# Altium PCB STM32F103C8T6_Coreboard.PcbDoc
Units mil, origin at the board's own origin, x right, y up, seen from the top; angles counter-clockwise.
Board outline 900 x 2100 mil, 2 copper layers (Top Layer, Bottom Layer); 35 components, 52 nets, 170 pads, 34 vias.
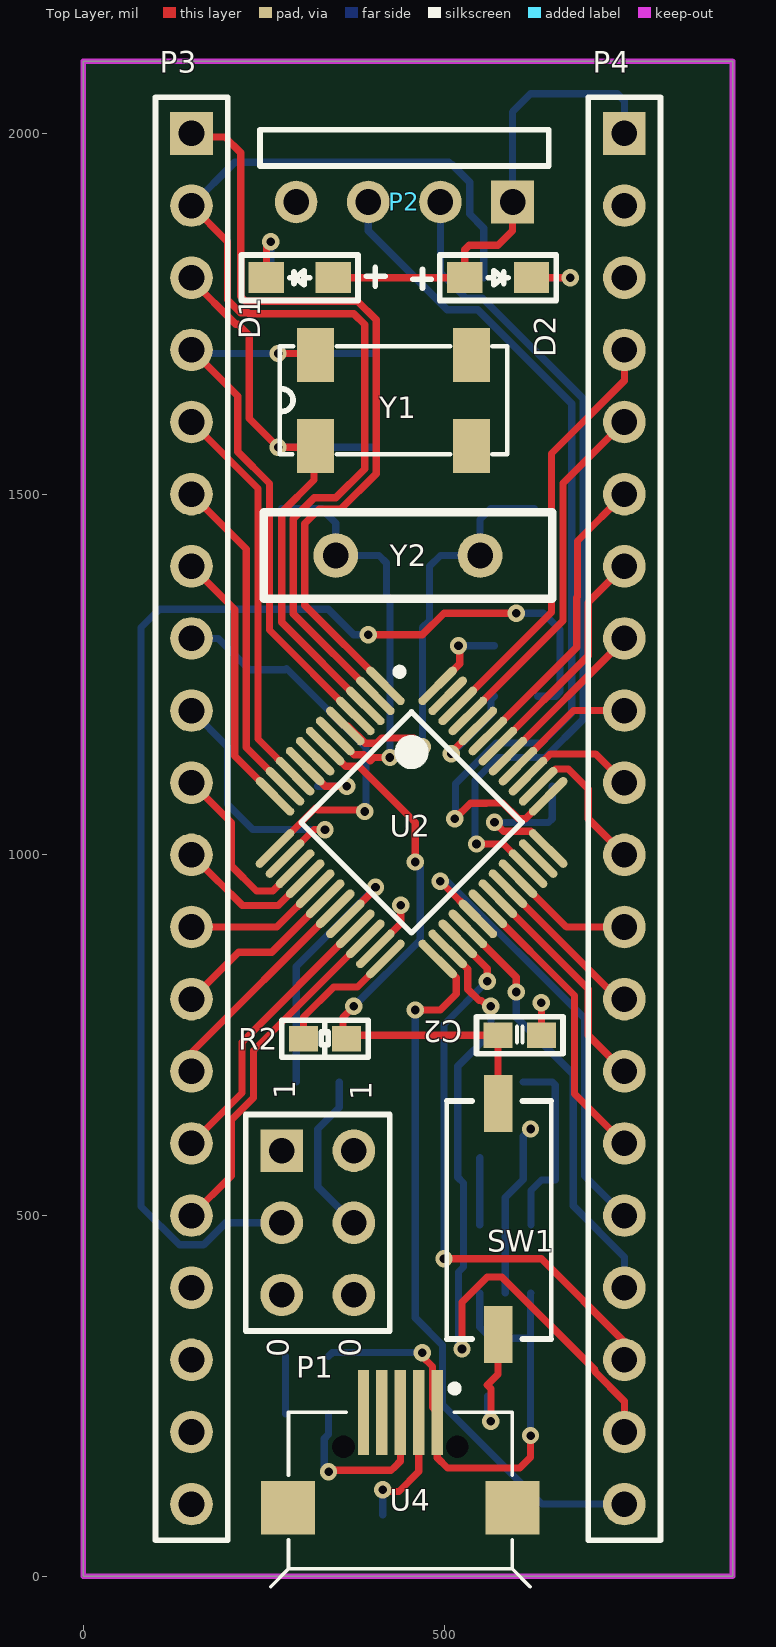
[diagram p0: Top Layer view]
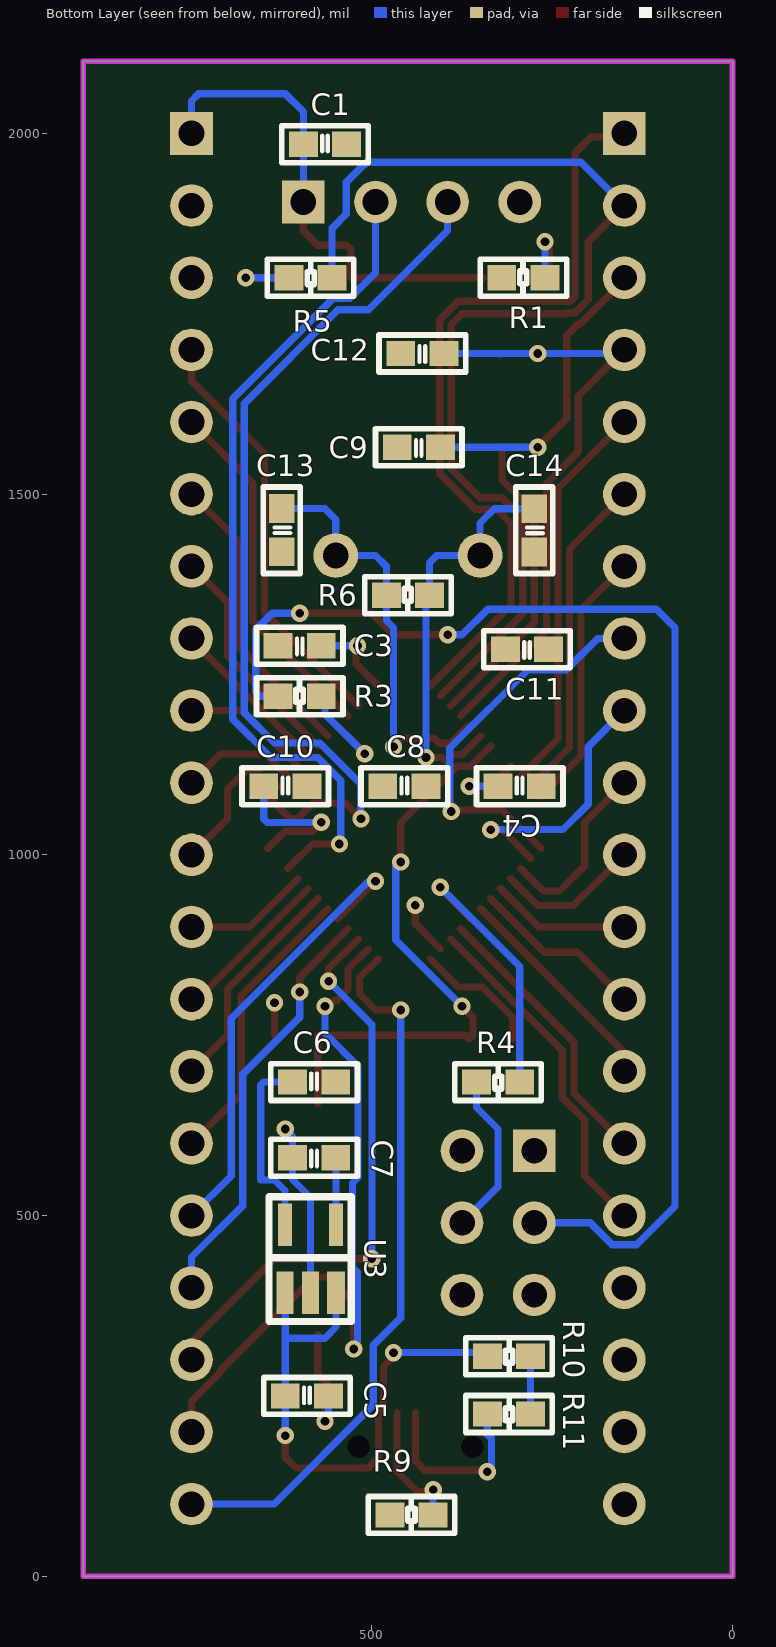
[diagram p1: Bottom Layer view, seen from below]

## Layer stack, top to bottom
Top Solder: solder mask 0.4, Solder Resist, Dk 3.5
Top Layer: signal copper 1.4
Dielectric 1: dielectric 12.6, FR-4, Dk 4.8
Bottom Layer: signal copper 1.4
Bottom Solder: solder mask 0.4, Solder Resist, Dk 3.5

## Board outline
0,0 900,0 900,2100 0,2100

## Design rules (kind name [scope] priority, off if disabled: settings)
Clearance [All] p1: gap=6 ignorepadtopadclearanceinfootprint=FALSE except(0: Arc-Hole Track-Hole SMDPad-Hole THPad-Hole Via-Hole Fill-Hole Poly-Hole Region-Hole Text-Hole; 10: Arc-Via Track-Via SMDPad-Via)
PlaneConnect [All] p1: planeconnectstyle=Direct reliefexpansion=20 reliefentries=4 reliefconductorwidth=10 reliefairgap=10
PolygonConnect [All] p1: connectstyle=Direct reliefconductorwidth=10 reliefentries=4 polygonreliefangle="90 Angle" airgapwidth=10
RoutingVias [All] p1: holewidth=12 width=24 viastyle="Through Hole" minholewidth=12 minwidth=24 maxholewidth=12 maxwidth=24
SolderMaskExpansion [All] p1: expansion=4
Width [All] p1: maxlimit=30 minlimit=10 preferedwidth=10
29 further rules are at their usual default settings.

## Components (designator, comment, footprint, x,y, rotation, side; value= is the part's Value field where it differs from the comment)
C1 "104" C0603 565,1985 r0 bottom
C2 "105,0603" C0603 605,750 r180 top value=104
C3 "104" C0603 600,1290 r180 bottom
C4 "104" C0603 295.08,1095 r0 bottom
C5 "105,0603" C0603 590.08,250 r0 bottom value=104
C6 "106,0603" C0603 580,685 r0 bottom value=104
C7 "223,0603" C0603 580,580 r180 bottom value=104
C8 "104,0603" C0603 455,1095 r0 bottom value=104
C9 "20p" C0603 435,1565 r180 bottom value=104
C10 "104" C0603 620,1095 r0 bottom
C11 "104" C0603 285,1285 r180 bottom
C12 "20p" C0603 430,1695 r180 bottom value=104
C13 "20p" C0603 625,1450 r90 bottom value=104
C14 "20p" C0603 275,1449.92 r90 bottom value=104
D1 "LED" LED 300,1800 r0 top
D2 "LED" LED 575,1800 r180 top
P1 "Header 3X2" HDR2X3 275,590 r270 top
P2 "SWD" HDR1X4H 595,1905 r180 top
P3 "Header 20" HDR1X20 150,2000 r270 top locked
P4 "Header 20" HDR1X20 750,2000 r270 top
R1 "510R" R0603 290,1800 r0 bottom
R2 "10K,0603" R0603 335,745 r180 top
R3 "10K,0603" R0603 600,1220 r0 bottom
R4 "10K,0603" R0603 325,685 r180 bottom
R5 "510R" R0603 585,1800 r180 bottom
R6 "1M" R0603 450,1360 r0 bottom
R9 "20R" R0603 445,85 r0 bottom
R10 "4.7K" R0603 310,305 r180 bottom
R11 "20R" R0603 310,225 r180 bottom
SW1 "SW-PB_V" KEY-SMT 768.8,518.85 r90 top
U2 "STM32F103C8T6" 48P 455,1045 r315 top
U3 "RT9193" SOT-23-5 585,440 r180 bottom
U4 "USB-mrico" Micro_USB 439.49,161.1 r0 top
Y1 "32.768K" MC-306 430,1630 r0 top
Y2 "8M" XTAL1 550,1415 r180 top

## Footprints (in the part's own frame and the unit in brackets; to place one, negate y for a bottom-side part, rotate by r counter-clockwise, add the part's x,y. Pads: shape width x height; smd on the part's side, far side on the other; paste and mask are expansions set on the pad)
48P [mm]
  oval 1.8x0.3 smd: 1(-4.05,2.75) 2(-4.05,2.25) 3(-4.05,1.75) 4(-4.05,1.25) 5(-4.05,0.75) 6(-4.05,0.25) 7(-4.05,-0.25) 8(-4.05,-0.75) 9(-4.05,-1.25) 10(-4.05,-1.75) 11(-4.05,-2.25) 12(-4.05,-2.75) 25(4.05,-2.75) 26(4.05,-2.25) 27(4.05,-1.75) 28(4.05,-1.25) 29(4.05,-0.75) 30(4.05,-0.25) 31(4.05,0.25) 32(4.05,0.75) 33(4.05,1.25) 34(4.05,1.75) 35(4.05,2.25) 36(4.05,2.75)
  oval 0.3x1.8 smd: 13(-2.75,-4.05) 14(-2.25,-4.05) 15(-1.75,-4.05) 16(-1.25,-4.05) 17(-0.75,-4.05) 18(-0.25,-4.05) 19(0.25,-4.05) 20(0.75,-4.05) 21(1.25,-4.05) 22(1.75,-4.05) 23(2.25,-4.05) 24(2.75,-4.05) 37(2.75,4.05) 38(2.25,4.05) 39(1.75,4.05) 40(1.25,4.05) 41(0.75,4.05) 42(0.25,4.05) 43(-0.25,4.05) 44(-0.75,4.05) 45(-1.25,4.05) 46(-1.75,4.05) 47(-2.25,4.05) 48(-2.75,4.05)
  silkscreen extent -4.17,-2.75 2.75,3.57, body extent -4.5,-4.5 4.5,4.5, height 1.6
C0603 [mil]
  rect 40x35 smd: 1(-29.92,0) 2(29.92,0)
  silkscreen extent -60,-26 60,26, body extent -31,-16 31,16, height 32
HDR1X4H [mm] "Connector; Header; 4 Position; Right Angle"
  rect 1.5x1.5 hole 0.9: 1(0,0)
  round 1.5 hole 0.9: 2(2.54,0) 3(5.08,0) 4(7.62,0)
  silkscreen extent -1.27,-2.54 8.89,-1.27, body extent -1.27,-7.77 8.89,1.27, height 4.85
HDR1X20 [mm] "Connector; Header; 20 Position"
  rect 1.5x1.5 hole 0.9: 1(0,0)
  round 1.5 hole 0.9: 2(2.54,0) 3(5.08,0) 4(7.62,0) 5(10.16,0) 6(12.7,0) 7(15.24,0) 8(17.78,0) 9(20.32,0) 10(22.86,0) 11(25.4,0) 12(27.94,0) 13(30.48,0) 14(33.02,0) 15(35.56,0) 16(38.1,0) 17(40.64,0) 18(43.18,0) 19(45.72,0) 20(48.26,0)
  silkscreen extent -1.27,-1.27 49.53,1.27, body extent -1.27,-1.27 49.53,1.27, height 3
HDR2X3 [mm] "Connector; Header; 3x2 Position"
  rect 1.5x1.5 hole 0.9: 1(0,0)
  round 1.5 hole 0.9: 2(0,2.54) 3(2.54,0) 4(2.54,2.54) 5(5.08,0) 6(5.08,2.54)
  silkscreen extent -1.27,-1.27 6.35,3.81, body extent -1.27,-1.27 6.35,3.81, height 8.5
KEY-SMT [mm]
  rect 2x1 smd: 1(3.47,4.922) 2(-4.67,4.922)
  silkscreen extent -4.83,3.05 3.56,6.73, body extent -4.67,3.12 3.47,6.72, height 2.49
LED [mil]
  rect 49x43 smd: 1(46.26,0) 2(-46.26,0)
  silkscreen extent -81,-31 118,31, body extent -37,-16 26,16, height 18
MC-306 [mm]
  rect 1.3x1.9 smd: 1(-2.75,-1.6) 2(2.75,-1.6) 3(2.75,1.6) 4(-2.75,1.6)
  silkscreen extent -4,-1.9 4,1.9, body extent -4,-1.63 4,1.63, height 2.56
Micro_USB [mm]
  rect 0.4x3 smd: 1(1.3,1.679) 2(0.65,1.679) 3(0,1.679) 4(-0.65,1.679) 5(-1.3,1.679)
  round 0 hole 0.8 unplated: MH1(2,0.471) MH2(-2,0.471)
  rect 1.9x1.9 smd: ""(-3.95,-1.679) ""(3.95,-1.679)
  silkscreen extent -4.57,-4.46 4.57,2.64, body extent -3.99,-4.18 3.99,1.25, height 2.67
R0603 [mil]
  rect 40x35 smd: 1(-29.92,0) 2(29.92,0)
  silkscreen extent -60,-26 60,26, body extent -32,-16 30,16, height 18
SOT-23-5 [mm]
  rect 0.6x1.5 smd: 1(-0.9,-1.2) 2(0,-1.2)
  rect 0.63x1.5 smd: 3(0.9,-1.2)
  rect 0.5x1.5 smd: 4(0.9,1.2) 5(-0.9,1.2)
  silkscreen extent -1.47,-2.21 1.43,2.18, body extent -1.5,-1.38 1.4,1.42, height 1.09
XTAL1 [mil]
  round 62 hole 35.43: 1(0,0) 2(200,0)
  silkscreen extent -100,-60 300,60, body extent -124,-91 323,92, height 138

## Part data
C1 C2 C3 C4 C5 C6 C7 C8 C9 C10 C11 C12 C13 C14: library part Cap, "Capacitor", LatestRevisionDate=17-Jul-2002, LatestRevisionNote="Re-released for DXP Platform.", Published=8-Jun-2000, Publisher="Altium Limited"
P1: "Header, 3-Pin, Dual row", LatestRevisionDate=17-Jul-2002, LatestRevisionNote="Re-released for DXP Platform.", Publisher="Altium Limited"
P2: library part "Header 4", "Header, 4-Pin", LatestRevisionDate=17-Jul-2002, LatestRevisionNote="Re-released for DXP Platform.", Publisher="Altium Limited"
P3 P4: "Header, 20-Pin", LatestRevisionDate=17-Jul-2002, LatestRevisionNote="Re-released for DXP Platform.", Publisher="Altium Limited"
R1 R2 R3 R4 R5 R6 R9 R10 R11: library part Res2, "Resistor", LatestRevisionDate=17-Jul-2002, LatestRevisionNote="Re-released for DXP Platform.", Published=8-Jun-2000, Publisher="Altium Limited"
SW1: "SWITCH"
U3: library part RT9193X_5P, ICA_MFR_NAME=RICHTEK, ICA_PARTNUM=$$2191094$$RT9193-15CU5, Part Number=TMP-13
U4: library part usb-STM
Y1: library part XTAL, "Crystal Oscillator", LatestRevisionDate=17-Jul-2002, LatestRevisionNote="Re-released for DXP Platform.", Published=8-Jun-2000, Publisher="Altium Limited"
Y2: library part XTAL1, "Crystal Oscillator", LatestRevisionDate=17-Jul-2002, LatestRevisionNote="Re-released for DXP Platform.", Published=8-Jun-2000, Publisher="Altium Limited"

## Via types
v1: diameter 24, hole 12, Top Layer to Bottom Layer, 34 vias

## Nets (pads, with @x,y where several pads share a name; then routed paths per layer and width w, separated by ;. In a path a pad name is that pad's centre, name@x,y a point inside that pad or via, vN(x,y) a via of type N, cw(c..) or ccw(c..) an arc to the next point about the centre after c; other vN are vias at no path point)
5V: C5.2 P4.3 R10.1 U3.1 U3.3 U4.1 | length 779.9
  Top Layer w10: v1(470,310) 470,304.77 483.95,290.82 483.95,233.92 U4.1 490.67,164.33 505,150 605,150 620,165 v1(620,195)
  Bottom Layer w10: R10.1 344.92,310 v1(470,310) ; U3.3 549.57,345.43 565,330 620,330 ; v1(620,195) C5.2 620,330 ; U3.1 620,392.32 620,330
BOOT0: R3.1 U2.44 | length 158.8
  Top Layer w10: v1(510,1140) 510,1141.76 U2.44
  Bottom Layer w10: v1(510,1140) 565,1195 565,1214.92 R3.1
BOOT1: R4.2 U2.20 | length 379
  Top Layer w10: U2.20 406.76,955 v1(405,955)
  Bottom Layer w10: R4.2 295.08,845.08 v1(405,955)
GND: C2.1 C3.1 C4.1 C5.1 C6.1 C7.1 C8.1 C9.1 C10.1 C11.1 C12.1 C13.1 C14.1 P1.5 P1.6 P3.19 P3.20 P4.2 R1.2 SW1.2 U2.8 U2.23 U2.35 U2.47 U3.2 U4.4 U4.5 | length 536.7
  Top Layer w10: U2.23 440,904.73 v1(440,930) ; v1(565,215) 565,260 560,265 575,280 SW1.2 ; C2.1 635,750.08 v1(635,795)
  Bottom Layer w10: C5.1 560.16,210.16 v1(565,215) ; U3.2 585,525 609.92,549.92 C7.1 609.92,609.92 v1(620,620)
NetC1_1: C1.1 P2.4
NetC6_2: C6.2 C8.2 U3.5 | length 264.7
  Bottom Layer w10: C6.2 650,685 654.13,680.87 654.13,549.13 635,549.13 620.43,534.57 U3.5
NetC7_2: C7.2 U3.4 | length 93
  Bottom Layer w10: U3.4 549.57,579.49 C7.2
NetD1_K: D1.2 R1.1 | length 102.6
  Top Layer w10: D1.2 253.74,1843.74 v1(260,1850)
  Bottom Layer w10: v1(260,1850) 260.08,1849.92 R1.1
NetD2_K: D2.2 R5.1 | length 113.8
  Top Layer w10: D2.2 v1(675,1800)
  Bottom Layer w10: R5.1 v1(675,1800)
NetP1_3: P1.3 R3.2 | length 1779.7
  Top Layer w10: v1(395,1305) 470,1305 500,1335 v1(600,1335)
  Bottom Layer w10: P1.3 197.31,490 166.79,459.47 133.21,459.47 80,512.69 80,1315 105.53,1340.53 339.47,1340.53 375,1305 v1(395,1305) ; v1(600,1335) 637.98,1335 660.92,1312.06 660.92,1225.92 655,1220 R3.2
NetP1_4: P1.4 R4.1 | length 228.1
  Bottom Layer w10: R4.1 354.92,649.92 325,620 325,540 P1.4
NetR9_1: R9.1 U4.2 | length 179.7
  Top Layer w10: v1(415,120) 417.5,117.5 437.5,117.5 465.08,145.08 U4.2
  Bottom Layer w10: R9.1 v1@415.08,120
NetR11_1: R11.1 U4.3 | length 258.5
  Top Layer w10: v1(340,145) 342,147 426.18,147 426.59,146.59 431.59,151.59 439.49,159.49 U4.3
  Bottom Layer w10: R11.1 340,224.92 340,196.73 334,190.73 334,151 v1(340,145)
OSCIN: C13.2 R6.2 U2.5 Y2.1 | length 586.3
  Top Layer w10: U2.5 367.06,1178.63 390.93,1154.76 406.58,1154.76 413.82,1162 458,1162 v1(470,1150)
  Bottom Layer w10: v1(470,1150) 470,1315 479.92,1324.92 R6.2 479.92,1399.92 495,1415 Y2.1 550,1465 564.92,1479.92 C13.2
OSCOUT: C14.2 R6.1 U2.6 Y2.2 | length 566.7
  Top Layer w10: U2.6 375.16,1138.76 388.87,1138.76 397.63,1130 402.63,1135 v1(425,1135)
  Bottom Layer w10: C14.2 330.16,1479.84 350,1460 Y2.2 410,1415 420.08,1404.92 R6.1 425,1355.08 v1(425,1135)
PA0: P3.5 U2.10 | length 550.4
  Top Layer w10: P3.5 242,1508 242,1160.56 U2.10
PA1: P3.6 U2.11 | length 458.6
  Top Layer w10: P3.6 226,1424 226,1148.73 U2.11
PA2: P3.7 U2.12 | length 366.7
  Top Layer w10: P3.7 210,1340 210,1136.89 U2.12
PA3: P3.8 U2.13 | length 545
  Top Layer w10: U2.13 321.89,1065 324.89,1062 388,1062 v1(390,1060)
  Bottom Layer w10: P3.8 187.02,1300 230.52,1256.5 279.64,1256.5 281.57,1258.43 392,1148 392,1062 v1(390,1060)
PA4: P3.9 U2.14 | length 372.2
  Top Layer w10: U2.14 319.73,1035 v1(335,1035)
  Bottom Layer w10: P3.9 200,1150 200,1070 235,1035 v1(335,1035)
PA5: P3.10 U2.15 | length 253.6
  Top Layer w10: P3.10 205,1045 205,985 240,950 262.56,950 U2.15
PA6: P3.11 U2.16 | length 201.8
  Top Layer w10: P3.11 187,963 187.4,963 220.4,930 270.4,930 U2.16
PA7: P3.12 U2.17 | length 193.4
  Top Layer w10: P3.12 268.24,900 U2.17
PA8: P4.16 U2.29 | length 648
  Top Layer w10: v1(495,963.24) U2.29
  Bottom Layer w10: v1(495,963.24) 504.94,963.24 695,773.18 695,555 P4.16
PA9: P4.15 U2.30 | length 403.7
  Top Layer w10: U2.30 681,805.08 681,669 P4.15
PA10: P4.14 U2.31 | length 311.8
  Top Layer w10: U2.31 700,813.92 700,750 P4.14
PA11: P4.13 R9.2 U2.32 | length 224.8
  Top Layer w10: U2.32 741.76,800 P4.13
PA12: P4.12 R10.2 R11.2 U2.33 | length 255.2
  Top Layer w10: U2.33 669.6,900 P4.12
  Bottom Layer w10: R11.2 R10.2
PA13: P2.2 U2.34 | length 1172
  Top Layer w10: v1(545,1015) 582.44,1015 U2.34
  Bottom Layer w10: P2.2 495,1807.02 530.52,1771.5 553.5,1771.5 692.92,1632.08 692.92,1187.92 640,1135 575,1135 543,1103 543,1017 v1(545,1015)
PA14: P2.3 U2.37 | length 1260.8
  Top Layer w10: v1(515,1050) 536.59,1071.59 558.41,1071.59 558.82,1072 581.18,1072 603.18,1050 613.11,1050 U2.37
  Bottom Layer w10: P2.3 395,1865 504.5,1755.5 546.87,1755.5 676.92,1625.45 676.92,1196.92 635,1155 572.37,1155 515.92,1098.55 515.92,1050.92 v1(515,1050)
PA15: P4.11 U2.38 | length 168.8
  Top Layer w10: U2.38@630,1095 630.11,1095.11 U2.38 ; U2.38@655,1118.98 672.19,1118.98 700,1091.16 700,1050 P4.11
PB0: P3.13 U2.18 | length 243
  Top Layer w10: P3.13 215,865 261.08,865 U2.18
PB1: P3.14 U2.19 | length 307.8
  Top Layer w10: P3.14 150,726.08 U2.19
PB3: P4.10 U2.39 | length 162.9
  Top Layer w10: U2.39 647.44,1140 710,1140 P4.10
PB4: P4.9 U2.40 | length 179.4
  Top Layer w10: U2.40 679.6,1200 P4.9
PB5: P4.8 U2.41 | length 230
  Top Layer w10: U2.41 750,1298.24 P4.8
PB6: P4.7 U2.42 | length 321.8
  Top Layer w10: U2.42 700,1276.08 700,1350 P4.7
PB7: P4.6 U2.43 | length 413.7
  Top Layer w10: U2.43 684,1287.92 684,1356.63 685,1357.63 685,1435 P4.6
PB8: P4.5 U2.45 | length 497.4
  Top Layer w10: U2.45 665,1324.6 665,1515 P4.5
PB9: P4.4 U2.46 | length 589.2
  Top Layer w10: U2.46 649,1336.44 649,1556.31 750,1657.31 P4.4
PB10: P3.15 U2.21 | length 391.5
  Top Layer w10: P3.15 220,670 220,740.4 U2.21
PB11: P3.16 U2.22 | length 483.6
  Top Layer w10: P3.16 205,555 205,632.37 236,663.37 236,728.98 390.56,883.53 U2.22
PB12: P4.20 U2.25 | length 997.5
  Top Layer w10: v1(460,785) 494.81,785 517,807.19 517,829.89 U2.25
  Bottom Layer w10: v1(460,785) 460,358.18 498,320.18 498,237.7 635.7,100 P4.20
PB13: P4.19 U2.26 | length 1031.4
  Top Layer w10: U2.26 533,841.73 533,813.82 548.82,798 552,798 560,790 v1(565,790) ; v1(525,315) 525,380 560,415 580,415 709.47,285.53 709.47,283.21 750,242.69 P4.19
  Bottom Layer w10: v1(525,315) 520,320 520,421.82 527,428.82 527,545.13 519.08,553.05 519.08,707.06 565,752.98 v1(565,790)
PB14: P4.18 U2.27 | length 808
  Top Layer w10: v1(500,440) 635,440 750,325 P4.18 ; U2.27 560,842.56 v1(560,825)
  Bottom Layer w10: v1(500,440) 500,765 v1(560,825)
PB15: P4.17 U2.28 | length 587.4
  Top Layer w10: U2.28 600,830.4 v1(600,810)
  Bottom Layer w10: v1(600,810) 600,775 679,696 679,513.69 750,442.69 P4.17
PC13: P3.2 R5.2 U2.2 | length 1538.1
  Top Layer w10: P3.2 200,1850 200,1769.56 218.06,1751.5 228.5,1751.5 230,1750 375,1750 390,1735 390,1535 350,1495 320,1495 291,1466 291,1334.27 U2.2
  Bottom Layer w10: P3.2 210,1960 507.02,1960 510.52,1956.5 511.34,1956.5 535.53,1932.31 535.53,1888.21 555.08,1868.66 R5.2
PC14: C9.2 P3.3 U2.3 Y1.1 | length 896.4
  Top Layer w10: P3.3 150,1796.93 211.43,1735.5 214.5,1735.5 230,1720 230,1605 v1(270,1565) 319.72,1565 319.72,1519.72 275,1475 275,1322.44 U2.3
  Bottom Layer w10: v1(270,1565) C9.2
PC15: C12.2 P3.4 U2.4 Y1.4 | length 906.2
  Top Layer w10: P3.4 214,1636 214,1558.63 258,1514.63 258,1311.6 U2.4 ; v1(270,1695) 319.72,1695 Y1.4
  Bottom Layer w10: P3.4 155,1695 v1(270,1695) C12.2
RESET: C2.2 P3.17 R2.1 SW1.1 U2.7 | length 824.6
  Top Layer w10: U2.7 363.32,1122.76 382.24,1122.76 460,1045 v1(460,990) ; v1(375,790) 360,775 360,749.92 R2.1 369.92,750 C2.2 575,749.92 SW1.1
  Bottom Layer w10: v1(375,790) 467,882 467,983 v1(460,990)
VBAT: P3.1 U2.1 | length 1092
  Top Layer w10: P3.1 155,1995 196.48,1995 218.24,1973.24 218.24,1773.94 224.68,1767.5 380.13,1767.5 406,1741.63 406,1528.37 356.63,1479 326.63,1479 307,1459.37 307,1346.11 U2.1
VCC3V3: C1.2 C3.2 C4.2 C10.2 C11.2 D1.1 D2.1 P1.1 P1.2 P2.1 P3.18 P4.1 R2.2 U2.9 U2.24 U2.36 U2.48 | length 1299.8
  Top Layer w10: R2.2 305.08,775.08 347,817 380.11,817 U2.24 ; U2.9 335.4,1095 v1(365,1095) ; D1.1 D2.1 528.74,1838.74 535,1845 575,1845 595,1865 P2.1 ; U2.48 521.89,1265 521.89,1288.11 v1(520,1290) ; v1(570,1045) 582.33,1032.67 620.44,1032.67 U2.36
  Bottom Layer w10: C4.2 v1(365,1095) ; v1(520,1290) C3.2 ; v1(570,1045) 645,1045 649.92,1049.92 C10.2 ; P2.1 594.92,1905.08 C1.2 594.92,2029.92 620,2055 740,2055 750,2045 P4.1
pads on no net: U4. U4.MH1 U4.MH2 Y1.2 Y1.3

## Keep-outs
Keep-Out Layer:
  the board outline again, w7.87

## Text inside footprints (layer, text, board x,y; h text height)
P1: Top Overlay "0" at 355,330 h30 r270; Top Overlay "0" at 255,330 h30 r270; Top Overlay "1" at 400,660 h30 r90; Top Overlay "1" at 294.13,661.15 h30 r90